# KiCad board FetsAndCrosses.kicad_pcb (continued)
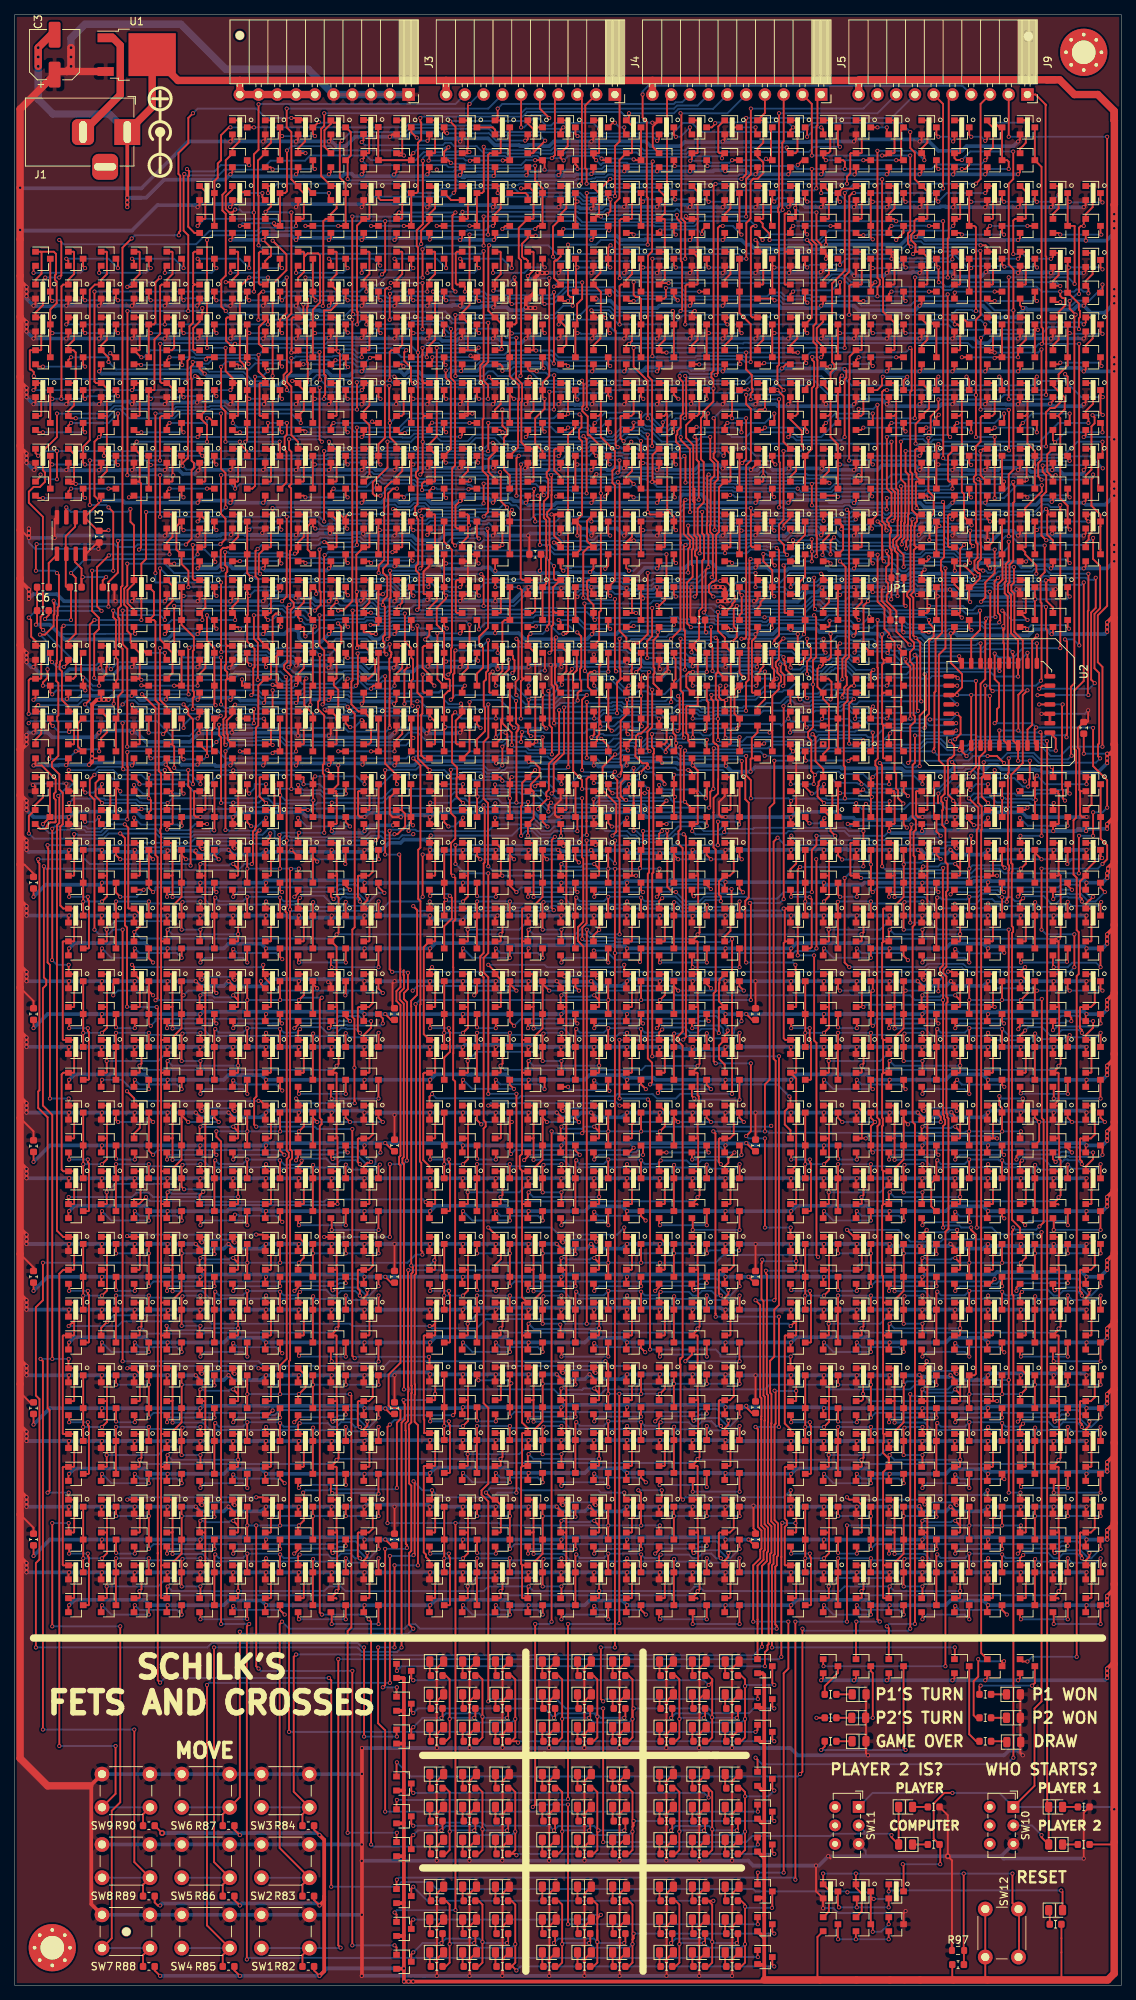
[diagram p0: board, top side]
## Routing (per net, layer and track width the routed paths; a pad name or vN(x,y) marks a point on that pad's centre or on a via; arc(x,y) is an arc through that point) (continued)
/PlayerMem_1/sheet5F18011D/sheet5EFB6E86/sheet5EFA5AF5/A: length 51.2
  Top w0.25: 96.16,83.62 96.86,83.62 97.38,83.1 97.38,79.7 96.86,79.18 Q199.1 95.45,79.18 95.36,79.08 95.36,75.96 v1(95.63,75.69) ; Q185.3 Q183.3 75.93,76.09 v1(76.05,76.22) ; Q191.1 87.97,70.29 88.04,70.37 88.04,74.66 87.97,74.73 Q189.1 87.27,75.98 v1(87.48,76.19) ; Q184.3 80.38,76.31 v1(80.39,76.32) ; v1(84.84,76.21) 84.82,76.19 Q188.3
  Bottom w0.25: v1(76.05,76.22) 76.55,75.72 79.79,75.72 v1(80.39,76.32) 84.72,76.32 v1(84.84,76.21) 85.32,75.72 87.01,75.72 v1(87.48,76.19) 91.32,76.19 91.82,75.69 92.46,75.69 93.09,76.32 94.36,76.32 95,75.69 v1(95.63,75.69)
/PlayerMem_1/sheet5F18011D/sheet5EFB6E86/sheet5EFA557C/A: length 59.8
  Top w0.25: 74.63,79.18 74.71,79.26 74.71,83.55 74.63,83.62 73.93,83.62 73.93,82.97 74.02,82.89 v1(74.22,82.89) ; 74.63,79.18 Q203.1 73.93,80.66 v1(74.04,80.77) ; 74.63,79.18 74.71,79.1 74.71,74.81 74.63,74.73 Q183.1 74.04,74.85 v1(74.04,75.69) ; Q180.1 79.08,79.18 79.15,79.26 79.15,80.16 ; v1(78.49,80.77) 79.09,80.16 79.15,80.16 ; 79.15,80.16 79.15,83.55 79.08,83.62 78.38,83.62 78.38,82.97 78.46,82.89 v1(78.66,82.89) ; Q175.3 Q173.3 62.61,73.8 v1(62.61,75.69) ; Q174.3 67.04,75.67 v1(67.06,75.69) ; v1(71.5,71.88) 71.48,71.9 Q178.3 71.48,75.46 v1(71.61,75.58) ; Q185.1 74.04,70.4 v1(74.04,71.88)
  Bottom w0.25: v1(74.22,82.89) 74.61,83.28 78.28,83.28 v1(78.66,82.89) ; v1(62.61,75.69) v1(67.06,75.69) 67.33,75.42 71.44,75.42 v1(71.61,75.58) 71.71,75.69 v1(74.04,75.69) ; v1(71.5,71.88) v1(74.04,71.88) ; v1(78.49,80.77) 77.02,80.77 76.84,80.59 74.61,80.59 74.43,80.77 v1(74.04,80.77)
/PlayerMem_1/sheet5F18011D/sheet5EFB6E86/sheet5EFA6019/A: length 55.7
  Top w0.25: Q202.1 70.19,79.18 70.26,79.26 ; 70.26,79.26 70.26,83.55 70.19,83.62 69.48,83.62 ; 70.26,79.26 70.27,79.25 v1(70.27,76.29) ; v1(82.93,75.69) 82.82,75.58 Q188.1 83.52,74.73 83.6,74.66 83.6,70.37 83.52,70.29 Q187.1 ; Q190.3 93.73,73.8 v1(93.73,75.69) ; Q194.3 98.17,73.8 v1(98.17,75.69) ; Q191.3 Q189.3 89.27,75.55 v1(89.3,75.59)
  Bottom w0.25: v1(98.17,75.69) 97.57,75.09 94.33,75.09 v1(93.73,75.69) 93.73,75.3 93.66,75.24 89.65,75.24 v1(89.3,75.59) 88.99,75.27 83.35,75.27 v1(82.93,75.69) 82.52,75.27 75.34,75.27 74.33,76.29 70.66,76.29 70.66,76.29 v1(70.27,76.29)
/PlayerMem_1/sheet5F18011D/sheet5F46F157/A: length 52.7
  Top w0.25: Q181.1 83.52,79.18 83.6,79.26 83.6,83.55 83.52,83.62 82.82,83.62 82.94,83.5 v1(83.82,83.5) ; Q195.3 89.27,81.42 v1(89.28,81.4) 89.27,81.39 Q197.3 ; 83.6,81.4 v1(83.75,81.4) ; Q196.3 93.73,82.66 v1(93.73,81.4) ; Q200.3 98.17,82.66 v1(98.17,81.4) ; Q164.1 65.76,79.18 65.83,79.26 65.83,83.55 ; 65.83,83.55 65.76,83.62 65.06,83.62 ; 65.83,83.55 65.99,83.55 v1(66.04,83.5)
  Bottom w0.25: v1(83.75,81.4) v1(89.28,81.4) v1(93.73,81.4) v1(98.17,81.4) ; v1(83.82,83.5) 83.5,83.82 66.36,83.82 v1(66.04,83.5)
/PlayerMem_1/sheet5F18011D/sheet5F46F157/B: length 21.1
  Top w0.25: 61.31,79.18 Q165.1 ; 61.31,79.18 61.39,79.26 61.39,83.55 61.31,83.62 60.61,83.62 ; 61.31,79.18 61.39,79.1 61.39,76.37 v1(60.71,75.69) ; Q167.3 Q168.3 v1(58.17,75.69) Q170.3
  Bottom w0.25: v1(58.17,75.69) v1(60.71,75.69)
/PlayerMem_1/sheet5F18011E/sheet5EFB6E86/D: length 49.9
  Top w0.25: Q206.3 v1(111.51,81.28) ; Q171.3 v1(115.95,81.28) Q172.3 v1(115.95,76.83) ; 145.05,70.16 145.75,70.16 145.83,70.24 145.83,74.53 145.75,74.61 Q236.1 145.05,75.26 145.55,75.76 v1(145.55,76.28)
  Bottom w0.25: v1(111.51,81.28) v1(115.95,81.28) ; v1(115.95,76.83) 116.59,77.47 141.35,77.47 141.73,77.85 143.98,77.85 v1(145.55,76.28)
/PlayerMem_1/sheet5F18011E/sheet5EFB6E86/sheet5EFA4EF6/A: length 31.8
  Top w0.25: Q243.3 120.38,81.3 v1(120.4,81.28) 120.4,78.12 Q244.3 120.38,76.18 119.31,75.11 v1(119.31,72.9) ; Q215.1 110.19,74.61 110.27,74.53 110.27,71.73 v1(110.24,71.75) 110.27,70.24 110.19,70.16 109.49,70.16 ; v1(124.84,81.25) 124.83,81.26 Q246.3
  Bottom w0.25: v1(119.31,72.9) 118.37,72.9 117.22,71.75 v1(110.24,71.75) ; v1(124.84,81.25) 124.36,81.73 120.85,81.73 v1(120.4,81.28)
/PlayerMem_1/sheet5F18011E/sheet5EFB6E86/sheet5EFA5AF5/A: length 51.4
  Top w0.25: Q242.1 145.75,83.5 146.27,82.98 146.27,79.58 145.75,79.05 Q241.1 144.35,79.05 144.27,78.98 144.27,76.2 144.53,75.95 v1(144.53,75.56) ; Q227.3 Q225.3 124.83,75.97 v1(124.95,76.09) ; 136.16,70.16 136.86,70.16 136.94,70.24 136.94,74.53 136.86,74.61 Q231.1 136.16,75.61 v1(136.55,76) ; Q226.3 129.27,76.18 v1(129.29,76.2) ; v1(133.73,76.08) 133.72,76.07 Q230.3
  Bottom w0.25: v1(124.95,76.09) 125.44,75.6 128.69,75.6 v1(129.29,76.2) 133.62,76.2 v1(133.73,76.08) 134.22,75.6 136.15,75.6 v1(136.55,76) 136.82,76.28 140,76.28 140.72,75.56 141.35,75.56 141.99,76.2 143.89,76.2 v1(144.53,75.56)
/PlayerMem_1/sheet5F18011E/sheet5EFB6E86/sheet5EFA557C/A: length 61.8
  Top w0.25: 123.52,79.05 123.6,79.13 123.6,83.42 123.52,83.5 Q246.1 ; 123.52,79.05 Q245.1 122.83,80.53 v1(122.94,80.64) ; 123.52,79.05 123.6,78.98 123.6,74.69 123.52,74.61 Q225.1 122.94,74.72 v1(122.94,75.56) ; Q246.1 123.51,84.18 v1(123.51,84.45) ; Q246.1 122.83,83.26 122.96,83.12 ; Q222.1 127.97,79.05 128.05,79.13 128.05,80.04 ; v1(127.38,80.64) 127.99,80.04 128.05,80.04 ; 128.05,80.04 128.05,83.42 127.97,83.5 Q221.1 127.27,82.85 127.36,82.76 v1(127.56,82.76) ; Q217.3 Q215.3 111.51,73.68 v1(111.51,75.56) ; Q216.3 115.94,75.55 v1(115.95,75.56) ; v1(120.4,71.75) 120.38,71.77 Q220.3 120.38,75.34 v1(120.5,75.46) ; 122.83,70.16 122.94,70.28 v1(122.94,71.75)
  Bottom w0.25: v1(111.51,75.56) v1(115.95,75.56) 116.23,75.29 120.33,75.29 v1(120.5,75.46) 120.61,75.56 v1(122.94,75.56) ; v1(120.4,71.75) v1(122.94,71.75) ; v1(122.94,80.64) 123.39,80.19 126.93,80.19 v1(127.38,80.64) ; v1(127.56,82.76) 127.17,83.15 124.43,83.15 ; 124.43,83.15 123.53,83.15 123.51,83.12 ; 124.43,83.15 124.43,83.54 v1(123.51,84.45)
/PlayerMem_1/sheet5F18011E/sheet5EFB6E86/sheet5EFA6019/A: length 55.7
  Top w0.25: Q244.1 119.08,79.05 119.16,79.13 ; 119.16,79.13 119.16,83.42 119.08,83.5 Q243.1 ; 119.16,79.13 119.16,79.12 v1(119.16,76.16) ; v1(131.83,75.56) 131.72,75.45 Q230.1 132.41,74.61 132.49,74.53 132.49,70.24 132.41,70.16 131.72,70.16 ; Q232.3 142.62,73.68 v1(142.62,75.56) ; Q236.3 147.07,73.68 v1(147.07,75.56) ; Q233.3 Q231.3 138.16,75.43 v1(138.2,75.47)
  Bottom w0.25: v1(147.07,75.56) 146.47,74.96 143.22,74.96 v1(142.62,75.56) 142.62,75.18 142.56,75.11 138.55,75.11 v1(138.2,75.47) 137.88,75.15 132.24,75.15 v1(131.83,75.56) 131.41,75.15 124.24,75.15 123.22,76.17 119.56,76.17 119.55,76.16 v1(119.16,76.16)
/PlayerMem_1/sheet5F18011E/sheet5F46F157/A: length 53.5
  Top w0.25: Q224.1 132.41,83.5 132.49,83.42 132.49,79.13 132.41,79.05 Q223.1 131.72,79.06 v1(133.03,79.06) ; Q237.3 138.16,81.3 v1(138.18,81.28) 138.16,81.26 Q239.3 ; 132.49,81.28 v1(132.64,81.28) ; Q238.3 142.62,82.53 v1(142.62,81.28) ; Q242.3 147.07,82.53 v1(147.07,81.28) ; Q171.1 114.65,83.5 114.9,83.25 v1(114.9,80.04) 114.9,79.3 114.65,79.05 Q172.1
  Bottom w0.25: v1(132.64,81.28) v1(138.18,81.28) v1(142.62,81.28) v1(147.07,81.28) ; v1(133.03,79.06) 115.88,79.06 v1(114.9,80.04) 114.81,80.04 114.77,80.01
/PlayerMem_1/sheet5F18011E/sheet5F46F157/B: length 21.1
  Top w0.25: 110.21,79.05 Q205.1 ; 110.21,79.05 110.28,79.13 110.28,83.42 110.21,83.5 Q206.1 ; 110.21,79.05 110.28,78.98 110.28,76.25 v1(109.6,75.56) ; Q207.3 Q208.3 v1(107.06,75.56) Q210.3
  Bottom w0.25: v1(107.06,75.56) v1(109.6,75.56)
/PlayerMem_1/~{R}: length 604.8
  Top w0.25: Q30.1 43.52,96.83 43.59,96.91 43.59,101.2 43.52,101.28 Q28.1 41.91,101.28 v1(41.91,101.28) ; 43.56,92.34 43.52,92.39 Q22.1 ; 16.14,87.94 16.85,87.94 16.92,88.02 16.92,88.93 v1(16.89,88.9) 17.17,89.17 17.17,91.8 16.92,92.05 16.92,92.31 16.85,92.39 Q6.1 ; 43.59,97.13 43.66,97.05 43.66,91.54 43.86,91.34 43.86,89.15 v1(43.58,88.88) 43.58,88.71 42.81,87.94 43.52,87.94 43.59,87.87 43.59,83.58 43.52,83.5 ; Q72.1 92.41,96.83 92.49,96.91 92.49,101.2 92.41,101.28 Q70.1 ; 92.46,92.34 92.41,92.39 Q64.1 ; 65.04,87.94 65.74,87.94 65.82,88.02 65.82,88.93 v1(65.79,88.9) 66.06,89.17 66.06,91.8 65.81,92.05 65.82,92.31 65.74,92.39 Q48.1 ; 92.49,97.13 92.56,97.05 92.56,91.54 92.75,91.34 92.75,89.15 v1(92.48,88.88) 92.48,88.71 91.71,87.94 92.41,87.94 92.49,87.87 92.49,83.7 92.41,83.62 ; Q114.1 141.3,96.83 141.38,96.91 141.38,101.2 141.3,101.28 Q112.1 ; 141.35,92.34 141.3,92.39 Q106.1 ; 113.94,87.94 114.64,87.94 114.71,88.02 114.71,88.93 v1(114.68,88.9) 114.96,89.17 114.96,91.8 114.71,92.05 114.71,92.31 114.64,92.39 Q90.1 ; 141.38,97.13 141.45,97.05 141.45,91.54 141.65,91.34 141.65,89.15 v1(141.37,88.88) 141.37,88.71 140.6,87.94 141.3,87.94 141.38,87.87 141.38,83.58 141.3,83.5 ; Q156.1 43.52,79.05 43.59,79.13 43.59,83.42 43.52,83.5 ; 43.52,83.5 Q154.1 ; 43.56,74.56 43.52,74.61 Q148.1 ; 16.14,70.16 16.85,70.16 16.92,70.24 16.92,71.15 v1(16.89,71.12) 17.17,71.39 17.17,74.02 16.92,74.27 16.92,74.53 16.85,74.61 Q132.1 ; 43.59,79.35 43.66,79.27 43.66,73.76 43.86,73.56 43.86,71.37 v1(43.58,71.1) 43.58,70.93 42.81,70.16 43.52,70.16 43.61,70.07 43.61,65.81 43.52,65.72 ; Q198.1 92.41,79.18 92.49,79.26 92.49,83.55 92.41,83.62 ; 92.41,83.62 91.71,83.62 ; 92.46,74.69 92.41,74.73 Q190.1 ; Q176.1 65.74,70.29 65.82,70.37 65.82,71.27 v1(65.79,71.24) 66.06,71.52 66.06,74.15 65.81,74.39 65.82,74.66 65.74,74.73 Q174.1 ; 92.49,79.47 92.56,79.4 92.56,73.89 92.75,73.69 92.75,71.5 v1(92.48,71.22) 92.48,71.06 Q192.1 92.41,70.29 92.49,70.21 92.49,65.8 92.41,65.72 ; Q240.1 141.3,79.05 141.38,79.13 141.38,83.42 141.3,83.5 ; 141.3,83.5 Q238.1 ; 141.35,74.56 141.3,74.61 Q232.1 ; 113.94,70.16 114.64,70.16 114.71,70.24 114.71,71.15 v1(114.68,71.12) 114.96,71.39 114.96,74.02 114.71,74.27 114.71,74.53 114.64,74.61 Q216.1 ; 141.38,79.35 141.45,79.27 141.45,73.76 141.65,73.56 141.65,71.37 v1(141.37,71.1) 141.37,70.93 140.6,70.16 141.3,70.16 141.38,70.09 141.38,65.64 ; Q282.1 43.52,61.27 43.59,61.35 43.59,65.64 43.52,65.72 ; 43.52,65.72 Q280.1 ; 43.56,56.78 43.52,56.83 Q274.1 ; 16.14,52.38 16.85,52.38 16.92,52.46 16.92,53.37 v1(16.89,53.34) 17.17,53.61 17.17,56.24 16.92,56.49 16.92,56.75 16.85,56.83 Q258.1 ; 43.59,61.57 43.66,61.49 43.66,55.98 43.86,55.78 43.86,53.59 v1(43.58,53.32) 43.58,53.15 42.81,52.38 43.52,52.38 43.59,52.31 ; Q324.1 92.41,61.27 92.49,61.35 92.49,65.64 92.41,65.72 ; 92.41,65.72 Q322.1 ; 92.46,56.78 92.41,56.83 Q316.1 ; 65.04,52.38 65.74,52.38 65.82,52.46 65.82,53.37 v1(65.79,53.34) 66.06,53.61 66.06,56.24 65.81,56.49 65.82,56.75 65.74,56.83 Q300.1 ; 92.49,61.57 92.56,61.49 92.56,55.98 92.75,55.78 92.75,53.59 v1(92.48,53.32) 92.48,53.15 91.71,52.38 92.41,52.38 92.49,52.31 ; 141.38,65.64 141.38,61.35 141.3,61.27 Q366.1 ; 141.38,65.64 141.3,65.72 Q364.1 ; 141.35,56.78 141.3,56.83 Q358.1 ; 113.94,52.38 114.64,52.38 114.71,52.46 114.71,53.37 v1(114.68,53.34) 114.96,53.61 114.96,56.24 114.71,56.49 114.71,56.75 114.64,56.83 Q342.1 ; 141.38,61.57 141.45,61.49 141.45,55.98 141.65,55.78 141.65,53.59 v1(141.37,53.32) 141.37,53.15 140.6,52.38 141.3,52.38 141.38,52.31 ; v1(50.8,101.28) v1(50.8,111.12) ; v1(53.25,137.04) 53.25,134.83 52.71,134.3 52.71,133.47 53.14,133.05 53.14,111.65 v1(53.1,111.62) ; v1(53.94,157) 53.66,157.28 Q2.3 Q1.3 ; v1(51.12,137.16) 50.77,137.51 v1(50.77,156.25) 50.77,156.08 50.8,156.04
  Bottom w0.25: v1(92.48,88.88) 91.93,88.33 66.36,88.33 v1(65.79,88.9) ; v1(141.37,88.88) 140.82,88.33 115.25,88.33 v1(114.68,88.9) ; v1(16.89,71.12) 17.46,70.55 43.03,70.55 v1(43.58,71.1) 43.73,71.24 v1(65.79,71.24) 66.36,70.67 91.93,70.67 v1(92.48,71.22) 92.58,71.12 v1(114.68,71.12) 115.25,70.55 140.82,70.55 v1(141.37,71.1) ; v1(43.58,53.32) 43.03,52.77 17.46,52.77 v1(16.89,53.34) ; v1(92.48,53.32) 91.93,52.77 66.36,52.77 v1(65.79,53.34) ; v1(141.37,53.32) 140.82,52.77 115.25,52.77 v1(114.68,53.34) ; v1(50.77,156.25) 50.91,156.4 52.64,156.4 53.24,157 v1(53.94,157) ; v1(53.1,111.62) 52.61,111.12 v1(50.8,111.12) ; v1(16.89,88.9) 17.28,88.9 17.98,88.2 25.62,88.2 25.75,88.33 43.03,88.33 v1(43.58,88.88) ; v1(53.25,137.04) 53.13,137.16 v1(51.12,137.16) ; v1(41.91,101.28) v1(50.8,101.28)
/PlayerMem_2/0: length 628.3
  Top w0.25: v1(64.24,217.7) 64.24,217.65 Q547.1 65.74,216.85 65.82,216.77 65.82,214.02 65.04,213.25 Q549.1 ; v1(137.16,184.78) 136.16,185.78 Q716.1 136.86,185.73 136.94,185.81 136.94,190.1 136.86,190.18 Q715.1 ; v1(19.05,191.13) v1(19.05,212.72) ; 133.9,183.43 133.9,181.69 133.98,181.61 133.98,168.43 134.62,167.79 ; 133.9,183.43 134.03,183.56 134.03,185.78 v1(133.75,186.06) ; 133.9,183.43 133.88,183.45 v1(133.88,183.95) ; v1(100.33,34.29) 100.6,34.56 Q1322.1 ; v1(55.24,153.03) 55.24,147.32 v1(55.25,147.32) ; v1(27.98,180.45) 27.94,180.49 v1(27.94,189.86) ; 41.91,165.35 41.73,165.17 41.73,164.02 41.92,163.82 v1(41.92,155.99) ; 41.91,165.35 41.91,171.88 41.09,172.7 41.09,173.74 41.31,173.96 v1(41.31,180.03) ; 41.91,165.35 41.84,165.28 ; 44.23,182.03 44.23,181.64 ; 44.23,182.03 44.23,181.64 ; 44.23,182.03 44.23,183.85 v1(43.77,184.31) ; 44.23,181.64 v1(43.85,181.26) ; v1(108.56,243.2) 108.59,243.23 108.59,251.62 108.71,251.75 108.71,255.4 J5.1 ; v1(68.58,243.2) 69.17,243.2 Q495.1 69.54,243.52 70.26,242.79 70.26,239.15 70.19,239.07 Q496.1 68.26,237.85 68.26,233.78 68.58,233.46 68.58,217.92 v1(68.5,217.84) ; v1(81.31,154.94) 81.28,154.9 v1(81.28,151.84) ; v1(37.42,151.1) 37.28,150.95 37.28,113.15 37.56,112.87 37.56,111.92 37.28,111.64 37.28,84.59 37.15,84.45 v1(37.15,34.29) ; Q949.3 31.48,152.42 ; 31.48,152.42 31.5,152.4 ; 31.48,152.42 Q950.3 ; Q967.1 38.37,151.02 v1(38.48,151.13) ; Q579.1 52.41,212.4 52.67,212.67 52.67,216.58 52.41,216.85 Q577.1 51.7,217.5 51.49,217.71 v1(51.43,217.71) ; v1(37.59,217.14) 38.08,217.14 Q589.1 ; Q589.1 38.37,216.86 38.11,217.12 ; Q589.1 38.37,216.65 39.15,215.88 39.15,213.18 Q591.1 38.73,212.04 v1(38.73,211.45) ; v1(35.84,155.69) 35.92,155.61 Q952.3 35.92,151.14 v1(35.91,151.13) ; Q965.1 38.37,155.86 v1(38.5,155.99)
  Bottom w0.25: v1(27.98,180.45) 28.05,180.52 34.17,180.52 34.45,180.24 35.4,180.24 35.68,180.52 40.82,180.52 v1(41.31,180.03) 42.62,180.03 v1(43.85,181.26) ; v1(38.48,151.13) 37.15,151.13 ; 37.15,151.13 37.39,151.13 v1(37.42,151.1) ; 37.15,151.13 v1(35.91,151.13) v1(31.5,151.13) ; v1(68.58,243.2) 78.1,243.2 78.55,243.66 78.94,243.66 79.09,243.81 79.66,243.81 80.16,243.31 88.63,243.31 89.01,242.93 108.29,242.93 v1(108.56,243.2) ; v1(19.05,191.13) 19.05,189.86 v1(27.94,189.86) ; v1(19.05,212.72) 21.59,212.72 22.04,213.18 26.48,213.18 26.63,213.33 28.23,213.33 28.83,212.72 37.47,212.72 v1(38.73,211.45) ; v1(55.25,147.32) 54.61,146.69 50.8,146.69 49.53,145.41 37.47,145.41 v1(37.28,145.6) ; v1(68.5,217.84) 68.02,217.35 64.59,217.35 v1(64.24,217.7) 63.75,217.2 55.07,217.2 54.45,217.83 53.5,217.83 52.91,217.23 51.91,217.23 51.28,217.86 47.55,217.86 47.23,217.55 45.82,217.55 45.56,217.29 42.39,217.29 41.75,217.92 40.9,217.92 40.11,217.14 v1(37.59,217.14) ; v1(81.28,151.84) 80.19,152.93 73.73,152.93 73.62,153.03 v1(55.24,153.03) ; v1(43.77,184.31) 43.92,184.46 47.44,184.46 47.7,184.72 48.52,184.72 48.81,184.43 50.88,184.43 51.05,184.6 53.31,184.6 53.82,185.12 70.25,185.12 70.55,185.42 75.95,185.42 77.18,184.18 83.15,184.18 83.53,184.56 88.8,184.56 88.99,184.75 89.56,184.75 89.88,184.43 94.59,184.43 94.82,184.2 100.98,184.2 101.13,184.05 101.95,184.05 102.23,184.33 108.78,184.33 109.18,183.93 113.31,183.93 113.51,183.73 116.17,183.73 116.45,184.02 120.46,184.02 120.74,183.73 124.3,183.73 124.59,184.03 130.96,184.03 131.32,183.67 133.61,183.67 v1(133.88,183.95) ; 81.5,154.76 v1(81.31,154.94) ; v1(100.33,34.29) v1(37.15,34.29) ; v1(41.92,155.99) v1(38.5,155.99) 36.14,155.99 v1(35.84,155.69) ; v1(137.16,184.78) 135.02,184.78 v1(133.75,186.06) ; 51.72,217.42 v1(51.43,217.71)
/PlayerMem_2/1: length 647.3
  Top w0.25: Q991.3 80.38,152.42 ; 80.38,152.42 80.39,152.4 ; 80.38,152.42 Q992.3 ; 87.38,154.73 Q1007.1 87.27,155.84 v1(87.63,156.21) ; v1(46.36,213.27) 46.36,216.91 v1(46.32,216.95) ; 136.86,199.07 136.94,198.99 136.94,194.7 136.86,194.62 Q768.1 136.21,194.62 136.86,193.97 136.86,193.66 138.37,192.16 v1(138.37,191.05) ; 136.86,199.07 Q767.1 ; 136.86,199.07 136.86,199.94 139.1,202.18 v1(139.1,203.02) ; v1(132.82,185.19) 132.7,185.3 132.7,190.02 v1(133.18,190.49) ; v1(64.14,151.45) 64.1,151.48 64.1,156.49 ; Q1324.1 100.6,38.78 v1(100.65,38.73) ; v1(5.71,212.72) 5.71,209.55 3.81,207.64 3.81,205.04 4.09,204.76 4.09,203.48 3.4,202.79 2.55,202.79 1.91,202.15 1.91,200.66 3.81,198.75 3.81,185.52 3.5,185.21 3.5,183.77 v1(3.84,183.42) ; 130.81,234.31 130.81,226.06 130.17,225.42 130.17,222.25 ; 130.81,234.31 130.81,231.1 ; 130.81,234.31 130.78,234.34 v1(130.78,234.75) ; v1(52.77,173.44) 52.77,177.96 v1(53.34,178.53) ; 64.1,154.88 64.1,156.49 ; 64.1,156.49 64.1,159.99 63.5,160.59 63.5,168.27 64.14,168.91 v1(64.14,173.35) ; v1(107.95,247.65) 107.95,254.63 J5.2 ; v1(108.59,140.33) 108.59,152.37 v1(108.55,152.4) ; v1(50.78,217.26) 50.78,221.07 51.01,221.29 Q561.1 51.76,221.29 52.48,222.02 52.48,225.66 52.41,225.74 Q559.1 ; v1(131.53,184.97) 131.53,184.59 131.44,184.5 131.44,176.78 130.81,176.15 U2.23 ; v1(87.31,151.13) 87.27,151.08 Q1009.1 87.27,150.82 ; 130.17,222.25 v1(130.17,215.23) v1(130.17,209.55) 130.17,210.61 ; 130.17,222.25 130.17,214.63 ; v1(84.67,151.18) 84.82,151.32 Q994.3 85.09,153.94 v1(85.09,156.21) ; v1(121.4,235.31) 120.97,235.74 120.97,237.11 121.29,237.43 v1(121.29,247.65) ; Q550.1 69.54,212.4 70.26,213.13 70.26,216.77 70.19,216.85 Q548.1 69.48,217.44 v1(69.74,217.7) ; v1(54.52,173.78) 54.52,173.76 54.61,173.68 ; v1(81.31,151.09) 81.28,151.06 v1(81.28,45.72) ; v1(132.72,201.29) 132.72,208.4 ; 132.72,208.4 v1(132.72,209.55) ; 132.72,208.4 132.72,207.01 ; v1(79.69,38.42) 79.38,38.73 v1(79.38,45.72) ; v1(117.48,247.65) 118.07,247.65 Q518.1 119.08,247.96 119.16,248.04 119.16,252.33 119.08,252.41 Q517.1
  Bottom w0.25: v1(130.17,215.23) 110.26,215.23 108.16,217.33 99.86,217.33 99.25,216.72 94.43,216.72 93.98,217.17 77.72,217.17 77.12,216.57 76.55,216.57 76.4,216.72 70.72,216.72 v1(69.74,217.7) 68.8,216.75 54.88,216.75 54.26,217.38 53.69,217.38 53.09,216.78 51.29,216.78 50.8,217.26 v1(50.78,217.26) 50.61,217.1 46.47,217.1 v1(46.32,216.95) ; v1(107.95,247.65) v1(117.48,247.65) v1(121.29,247.65) ; v1(131.53,184.97) 131.74,185.19 v1(132.82,185.19) ; 35.65,179.79 35.73,179.79 ; 35.65,179.79 34.26,179.79 34.04,180.02 29.98,180.02 29.03,179.07 13.97,179.07 v1(13.02,178.12) 12.78,178.35 12.78,179.07 11.43,179.07 11.05,178.69 8.57,178.69 v1(3.84,183.42) ; 35.65,179.79 35.78,179.92 37.66,179.92 38.26,179.33 44.26,179.33 44.54,179.05 47.05,179.05 47.96,178.14 48.89,179.07 52.8,179.07 v1(53.34,178.53) ; v1(132.72,201.29) 133.98,201.29 135.71,203.02 v1(139.1,203.02) ; v1(121.4,235.31) 121.79,235.31 121.9,235.19 129.94,235.19 130.39,234.75 v1(130.78,234.75) ; v1(52.77,173.44) 53.11,173.78 v1(54.52,173.78) 54.91,173.78 55.75,172.94 60.11,172.94 60.33,172.72 63.5,172.72 v1(64.14,173.35) ; v1(87.63,156.21) v1(85.09,156.21) ; v1(100.65,38.73) 80.01,38.73 v1(79.69,38.42) ; v1(108.59,140.33) 108.23,139.98 105.76,139.98 105.47,139.7 v1(81.28,139.7) ; v1(138.37,191.05) 138.22,190.9 133.59,190.9 v1(133.18,190.49) ; v1(87.31,151.13) 84.72,151.13 v1(84.67,151.18) 84.59,151.09 v1(81.31,151.09) 81.28,151.13 v1(80.39,151.13) 77.09,151.13 76.89,150.93 64.66,150.93 v1(64.14,151.45) ; v1(79.38,45.72) v1(81.28,45.72) ; v1(130.17,209.55) v1(132.72,209.55) ; v1(5.71,212.72) 12.45,212.72 13.5,213.78 14.44,213.78 14.86,213.36 21.59,213.36 21.85,213.63 26.3,213.63 26.45,213.78 28.41,213.78 28.92,213.27 v1(46.36,213.27)
/PlayerMem_2/2: length 489.8
  Top w0.25: 129.27,152.42 Q1033.3 129.54,153.94 v1(129.54,155.57) ; 129.27,152.42 129.29,152.4 ; 129.27,152.42 Q1034.3 ; Q1051.1 136.16,151.02 v1(136.27,151.13) 136.94,151.79 136.94,154.54 136.86,154.62 Q1049.1 ; 136.27,154.73 Q1049.1 ; Q1049.1 136.16,155.53 v1(136.21,155.57) ; v1(104.01,240.3) 103.96,240.36 103.96,249.37 104.14,249.55 J5.3 ; 70.26,205.96 70.26,203.59 70.19,203.51 Q551.1 ; 70.26,205.96 70.26,207.88 70.19,207.96 Q552.1 68.61,208.83 68.61,214.28 68.71,214.38 68.71,216.74 67.9,217.55 67.9,222.93 v1(67.95,222.98) ; 70.26,205.96 70.46,205.96 70.48,205.99 v1(70.48,206.38) ; Q567.1 39.07,203.51 39.15,203.59 39.15,207.88 39.07,207.96 Q565.1 38.37,208.9 37.47,209.8 37.47,216.37 36.86,216.97 36.86,217.78 37.47,218.38 v1(37.47,220.23) ; v1(135.92,169.83) 135.92,174.66 136.52,175.26 136.52,182.03 135.38,183.17 135.38,188.36 134.97,188.77 134.97,189.49 135.33,189.84 v1(135.33,191.95) ; Q1326.1 100.6,48.91 100.61,48.92 100.61,49.5 100.6,49.51 100.6,56.78 101.42,57.6 101.42,58.74 101.58,58.91 101.58,61.74 101.1,62.22 101.1,76.6 ; 101.1,76.6 101.13,76.62 ; 101.1,76.6 101.1,76.97 101.13,77 101.13,79.46 100.95,79.64 100.95,92.09 v1(100.33,92.71) ; Q588.1 48.35,225.74 v1(48.38,225.77) ; Q588.1 47.62,225.38 v1(47.62,224.79) ; Q588.1 47.31,225.74 48.04,225.01 48.04,221.37 47.96,221.29 Q587.1 46.99,221.02 v1(46.99,220.34) ; v1(103.32,155.31) 102.78,154.77 102.78,125.38 103.05,125.11 103.05,92.89 v1(102.87,92.71) ; Q1036.3 133.72,151.61 v1(134.07,151.25) ; v1(138.91,169.59) 139.06,169.43 v1(139.06,155.57) ; v1(131.16,191.47) 131.02,191.61 130.63,191.61 130.43,191.8 130.43,192.61 130.85,193.03 130.85,195.26 130.81,195.3 130.81,203.52 v1(130.49,203.83) ; Q545.1 61.3,243.52 61.37,243.44 61.37,239.15 61.3,239.07 Q546.1 60.64,239.12 v1(60.64,240.03) ; v1(45.72,239.39) 45.72,226.28 v1(45.83,226.17) ; v1(90.69,206.98) 90.84,206.83 v1(90.84,203.39) ; U2.25 v1(133.35,169.83) ; Q719.1 136.86,207.96 137.05,207.77 v1(137.05,203.78) 137.05,203.7 136.86,203.51 Q720.1
  Bottom w0.25: v1(100.33,92.71) v1(102.87,92.71) ; v1(48.38,225.77) 48.11,226.05 45.96,226.05 v1(45.83,226.17) ; v1(46.99,220.34) 46.36,220.34 45.76,220.95 44.58,220.95 44.18,220.54 43.15,220.54 43.04,220.43 40.56,220.43 40.55,220.44 38.06,220.44 37.85,220.23 v1(37.47,220.23) ; v1(129.54,155.57) 128.69,154.72 123.54,154.72 123.16,154.34 104.3,154.34 v1(103.32,155.31) ; v1(90.84,203.39) 93.48,203.39 93.66,203.2 97.55,203.2 97.6,203.15 105.03,203.15 105.08,203.2 106.68,203.2 107.31,202.56 110.43,202.56 111.06,203.2 119.44,203.2 120.08,203.83 v1(130.49,203.83) 133.41,203.83 133.7,204.12 135.35,204.12 135.42,204.05 136.77,204.05 v1(137.05,203.78) ; v1(70.48,206.38) 70.5,206.36 73.95,206.36 74.6,207.01 77.85,207.01 78.45,207.61 79.03,207.61 79.66,206.98 82.18,206.98 82.45,206.71 90.41,206.71 v1(90.69,206.98) ; v1(135.33,191.95) 134.94,191.95 134.89,191.9 133.1,191.9 132.37,191.17 131.79,191.17 131.49,191.47 v1(131.16,191.47) ; v1(136.27,151.13) 134.2,151.13 v1(134.07,151.25) 133.75,151.58 129.74,151.58 v1(129.29,151.13) ; v1(138.91,169.59) 138.87,169.55 136.2,169.55 v1(135.92,169.83) v1(133.35,169.83) ; v1(136.21,155.57) v1(139.06,155.57) ; v1(47.62,224.79) 48.2,224.21 53.4,224.21 53.98,224.79 57.6,224.79 58.8,223.59 59.38,223.59 59.99,224.21 65.35,224.21 66.58,222.98 v1(67.95,222.98) ; v1(104.01,240.3) 103.74,240.03 90.1,240.03 89.72,240.41 89.64,240.41 89.34,240.11 80.67,240.11 80.37,240.41 80.12,240.41 79.7,240 79.09,240 78.96,239.87 76.38,239.87 76.22,240.03 v1(60.64,240.03) 60.36,239.75 60.36,239.34 59.4,239.34 59.34,239.39 52.41,239.39 52.36,239.34 51.78,239.34 51.73,239.39 v1(45.72,239.39)
/PlayerMem_2/3: length 578.2
  Top w0.25: Q1075.3 31.48,134.64 ; 31.48,134.64 31.5,134.62 ; 31.48,134.64 Q1076.3 ; Q1078.3 35.92,133.37 v1(35.94,133.35) ; Q1093.1 38.37,133.24 v1(38.48,133.35) 39.15,134.01 39.15,136.76 39.07,136.84 Q1091.1 ; 38.48,136.95 Q1091.1 ; Q1091.1 38.1,136.84 ; v1(66.67,200.02) 65.82,200.88 65.82,204.69 v1(65.72,204.79) ; 55.45,212.4 Q580.1 ; 55.45,212.4 55.25,212.61 55.25,217.17 ; 55.45,212.4 55.25,212.2 v1(55.25,208.91) 55.25,204.79 v1(54.93,204.47) ; v1(19.07,133.31) 19.34,133.59 19.34,152.68 19.05,152.97 19.05,172.91 v1(17.22,174.73) ; v1(50.8,191.45) 50.8,191.06 50.9,190.97 50.9,187.8 50.76,187.66 50.76,182.5 v1(50.48,182.23) ; v1(99.08,233.68) 99.08,238.53 99.66,239.11 99.66,244.13 100.04,244.51 100.62,244.51 101.38,245.27 101.38,246.73 100.6,247.5 Q522.1 100.6,248.61 101.38,249.39 101.38,252.33 101.3,252.41 Q521.1 101.6,253.41 101.6,255.9 ; Q1328.1 100.6,19.1 v1(100.65,19.05) ; v1(48.26,19.05) 48.26,49.21 v1(47.94,49.53) ; v1(139.67,186.54) 139.67,183.55 139.83,183.38 139.83,177.52 U2.4 ; v1(123.23,191.61) 122.83,191.21 Q723.1 123.52,190.18 123.6,190.1 123.6,185.81 ; 117.51,194.82 117.51,192.93 v1(117.71,192.73) ; 123.6,185.81 123.52,185.73 Q724.1 ; 123.6,185.81 123.83,186.03 v1(123.83,186.69) ; v1(41.59,50.16) 41.31,50.45 41.31,116.3 41.56,116.55 41.56,117.13 41.31,117.38 41.31,133.38 v1(41.59,133.67) ; v1(116.86,198.12) 117.48,197.51 117.48,193.04 ; v1(118.88,198.21) 119.2,198.52 119.2,202.12 118.74,202.57 v1(118.74,208.91) ; v1(64.25,235.5) 64.14,235.38 64.14,226.64 Q553.1 65.95,224.83 v1(65.95,221.44) 65.8,221.29 Q555.1 ; v1(23.66,181.03) 23.6,180.97 23.5,180.97 23.5,174.77 v1(23.55,174.72) ; v1(55.22,221.61) 55.22,220.66 55.2,220.63 55.2,217.1 55.45,216.85 Q578.1 ; v1(55.07,198.86) 55.2,198.73 55.2,192.04 v1(54.93,191.77)
  Bottom w0.25: v1(139.67,186.54) 139.49,186.71 131.23,186.71 131.17,186.65 130.31,186.65 129.77,186.11 128.98,186.11 128.41,186.69 v1(123.83,186.69) ; v1(65.72,204.79) 55.25,204.79 v1(54.93,204.47) ; v1(65.95,221.44) 65.11,222.28 60.33,222.28 60.04,221.99 57.66,221.99 57.38,222.28 55.89,222.28 v1(55.22,221.61) ; v1(41.59,50.16) 47.31,50.16 v1(47.94,49.53) ; v1(116.86,198.12) 118.79,198.12 v1(118.88,198.21) ; v1(41.59,133.67) 38.8,133.67 v1(38.48,133.35) v1(35.94,133.35) v1(31.5,133.35) 31.22,133.08 27.01,133.08 26.73,133.35 19.49,133.35 19.46,133.31 v1(19.07,133.31) ; v1(23.66,181.03) 23.93,181.3 34.03,181.3 34.64,180.69 35.21,180.69 35.5,180.97 42.23,180.97 43.5,182.25 47.64,182.25 48.31,181.58 49.84,181.58 v1(50.48,182.23) ; v1(123.23,191.61) 123.08,191.76 121.05,191.76 120.67,191.38 120.09,191.38 119.01,192.46 117.98,192.46 v1(117.71,192.73) ; v1(55.25,208.91) 55.61,208.55 61.54,208.55 62.42,209.42 64.97,209.42 65.87,208.51 68.73,208.51 68.74,208.5 77.43,208.5 77.89,208.96 79.59,208.96 79.86,208.68 81.31,208.68 82.59,209.97 84.67,209.97 84.98,209.65 85.05,209.65 85.44,209.27 86.26,209.27 87.05,208.48 92.65,208.48 92.82,208.65 118.48,208.65 v1(118.74,208.91) ; v1(55.07,198.86) 55.46,198.86 55.71,199.1 62.26,199.1 62.55,199.39 66.04,199.39 v1(66.67,200.02) ; v1(23.55,174.72) 17.24,174.72 v1(17.22,174.73) ; v1(100.65,19.05) 100.36,18.77 48.54,18.77 v1(48.26,19.05) ; v1(54.93,191.77) 54.61,191.45 v1(50.8,191.45) ; v1(99.08,233.68) 98.69,233.68 98.06,234.31 73.43,234.31 72.25,235.5 v1(64.25,235.5)